# Allegro board V851S_V851SE_PER1_STD_QFN88_V1_0.brd (continued)
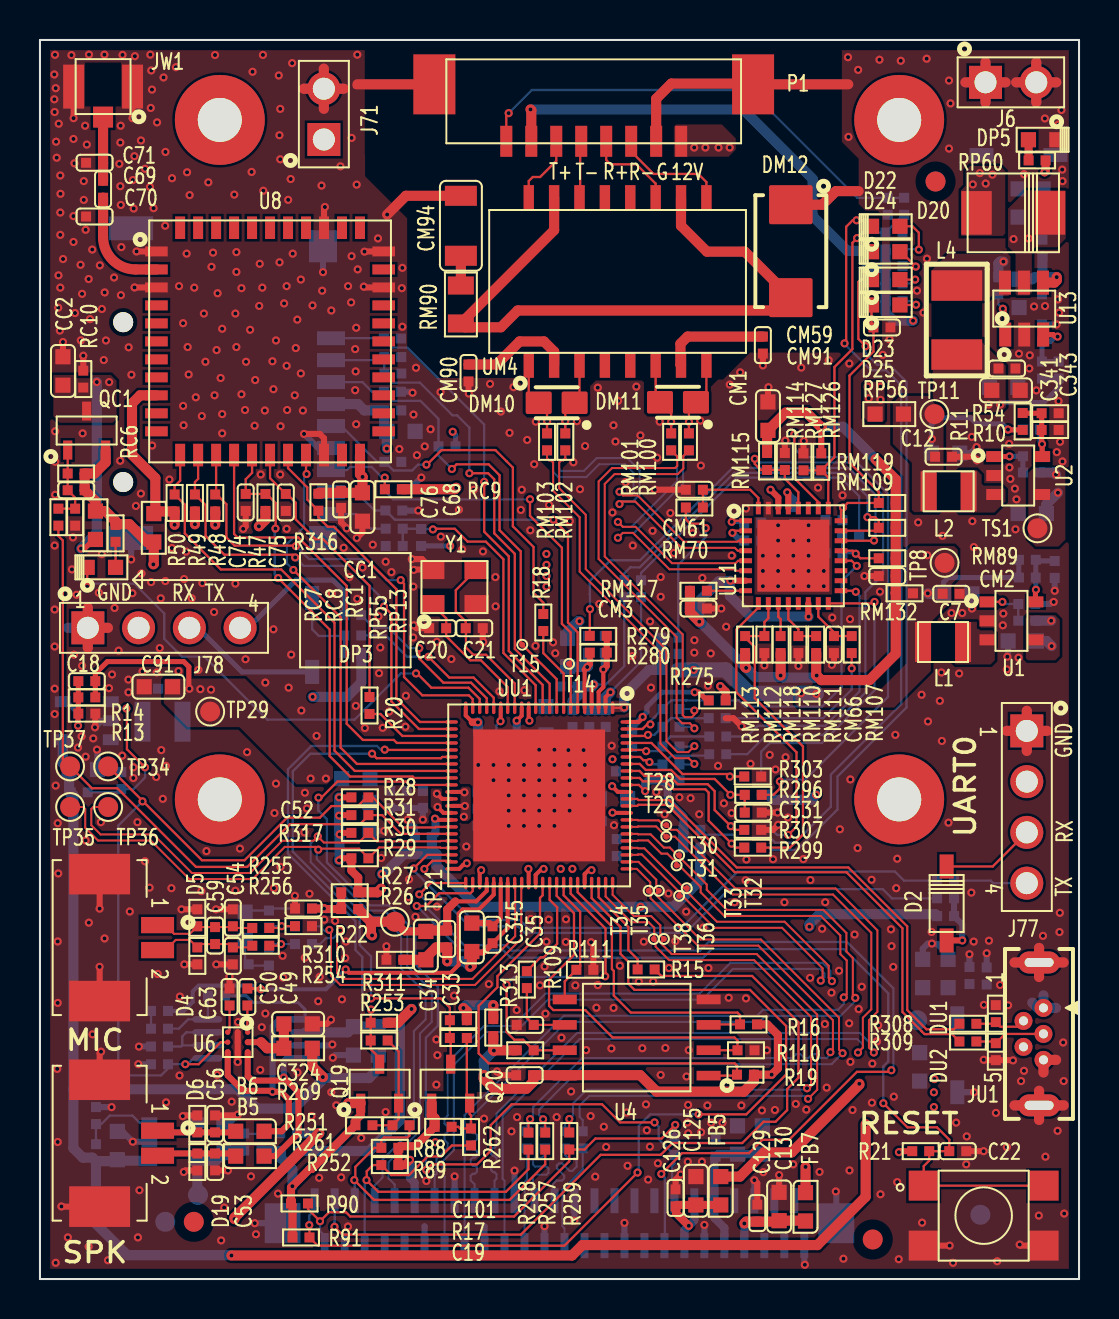
[diagram p0: board, top side]
## Routing (per net, layer and track width the routed paths; a pad name or vN(x,y) marks a point on that pad's centre or on a via; arc(x,y) is an arc through that point) (continued)
  TOP w0.114: U11.16 41.69,33.81 v1(41.77,33.88)
  BOTTOM w0.114: v1(41.77,33.88) 41.77,29.46 39.13,26.82 36.53,26.82 36.09,26.39 R289.1
RMII-TXD1: length 13.4
  TOP w0.114: v1(40.83,34.39) 40.77,34.44 U11.17
  BOTTOM w0.114: R291.1 35.39,27.15 35.93,27.69 39.3,27.69 41.01,29.4 41.01,34.2 v1(40.83,34.39)
RMII-TXEN: length 13.6
  TOP w0.114: v1(40.88,35.68) 40.62,35.94 U11.20
  BOTTOM w0.114: v1(40.88,35.68) 40.11,34.92 40.11,29.62 39.14,28.65 35.29,28.65 34.98,28.95 R285.1
RSET: length 1.4
  TOP w0.114: v1(34.62,37.89) 34.67,37.94 U11.1
  BOTTOM w0.114: RM106.2 34.67,37.84 v1(34.62,37.89)
RX+: length 4.6
  TOP w0.114: P1.4 28.34,55.99 28.55,55.78 29.85,55.78 30.81,54.81 UM4.11
RX-: length 5.7
  TOP w0.114: UM4.9 33.35,54.89 32.94,55.3 30.71,55.3 29.59,56.42 P1.3
RXD2/INTB: length 1.7
  TOP w0.114: U11.11 36.95,33.16 36.94,33.14 37.07,33.02 RM118.2
RXD3: length 2.7
  TOP w0.114: RM111.2 RM110.1 37.96,32.51 37.45,33.02 U11.12
RXDV: length 1.9
  TOP w0.114: RM117.2 33.38,34.44 U11.8
SDC0-CLK: length 18.8
  TOP w0.114: v1(19.34,40.75) 19.37,40.75 20.09,41.48 22.79,41.48 23.34,40.93 23.67,40.6 23.67,37.67 24.7,36.63 24.7,34.33 25.19,33.84 R18.2
  BOTTOM w0.114: v1(19.34,40.75) 18.92,40.75 18.63,40.46 17.69,40.46 17.25,40.89 DC3.2 16.87,40.89 15.09,42.68 JC1.5
SDC0-CMD: length 24.5
  TOP w0.114: UU1.9 25.86,30.02 T15.1 24.06,31.81 24.06,36.41 23,37.47 23,40.22 22.45,40.77 20.85,40.77 v1(20.61,40.53)
  BOTTOM w0.114: v1(20.61,40.53) 19.94,41.2 RC3.1 19.94,43.04 19.04,43.94 17.66,43.94 17.21,44.39 DC8.2 16.62,44.4 16.14,44.88 JC1.3
SDC0-D0: length 23.1
  TOP w0.114: v1(17.25,40.1) 17.25,39.53 RC9.1 ; UU1.7 26.56,30.71 ; 26.56,30.71 T14.1 ; 26.56,30.71 26.56,31.93 26.56,32.35 26.12,32.79 26.12,36.59 24.52,38.19 v1(24.52,39.02)
  BOTTOM w0.114: JC1.7 15.36,40.48 15.51,40.63 16.59,40.63 17.12,40.1 v1(17.25,40.1) 17.26,40.1 RC9.1 17.26,39.43 17.68,39.01 24.52,39.01 v1(24.52,39.02)
SDC0-D1: length 21.6
  TOP w0.114: v1(25.69,38) 26.42,37.26 26.42,32.85 26.91,32.36 UU1.6
  BOTTOM w0.114: v1(25.69,38) 17.76,38 17.31,38.45 DC1.2 16.75,38.45 15.82,39.38 JC1.8
SDC0-D2: length 24.9
  TOP w0.114: v1(22.23,39.89) 22.23,37.39 23.46,36.16 23.46,31.43 25.16,29.73 UU1.11
  BOTTOM w0.114: v1(22.23,39.89) 22.23,42.76 18.38,46.61 17.61,46.61 17.21,47.01 DC7.2 17.2,47.08 JC1.1
SDC0-D3: length 25.2
  TOP w0.114: v1(21.49,40.32) 22.43,40.32 22.73,40.02 22.73,37.32 23.76,36.29 23.76,31.53 25.51,29.79 UU1.10
  BOTTOM w0.114: JC1.2 17.08,45.98 DC6.2 17.23,45.3 RC5.1 17.23,45.29 17.66,44.85 19.01,44.85 20.65,43.22 20.88,43.22 21.49,42.6 v1(21.49,40.32)
SDC0-DET: length 36.8
  TOP w0.114: UU1.12 24.81,29.71 23.19,31.33 23.19,36.02 22.31,36.9 21.4,36.9 20.76,37.54 19.86,37.54 19.83,37.51 19.67,37.51 v1(19.66,37.51)
  PWR03 w0.102: v1(19.66,37.51) 19.02,37.51 18.41,38.12 18.41,42.7 16.83,44.29 16.83,51.47 15.21,53.09 15.21,54.48 14.21,55.49 J71.1
  BOTTOM w0.114: DC4.2 RC4.2 19.06,37.55 RC2.1 19.64,37.53 v1(19.66,37.51)
SPD-LED: length 34.6
  TOP w0.114: D23.2 41.07,50.01 40.96,49.9 40.96,47.04 v1(41.32,46.68)
  BOTTOM w0.114: R298.1 36.48,21.59 36.59,21.48 37.89,21.48 39.91,23.5 39.91,25.15 43.37,28.6 43.37,44.89 42.5,45.75 41.89,45.75 41.32,46.32 v1(41.32,46.68)
SPI0-CLK: length 3.5
  TOP w0.114: U4.6 24.71,12.72 C101.2 24.37,13.06 R109.2
SPI0-CS0: length 24.9
  TOP w0.114: UU1.56 25.16,19.2 25.03,19.07 25.03,17.29 22.89,15.16 22.89,14.61 21.95,13.67 21.95,11.29 22.45,10.79 34.77,10.79 34.88,10.68 R19.2 34.83,10.18 U4.1
SPI0-HOLD: length 16.2
  TOP w0.114: U4.7 26.26,11.45 R17.2 24.18,11.97 23.74,11.97 23.35,12.36 v1(23.35,14.73) ; v1(28.29,15.15) 28.3,15.17 28.3,17.54 26.56,19.28 UU1.60
  BOTTOM w0.114: v1(23.35,14.73) 23.74,15.12 28.25,15.12 v1(28.29,15.15)
SPI0-MISO: length 19.1
  TOP w0.114: U4.2 34.91,11.45 R110.1 34.91,11.94 34.76,12.09 28.66,12.09 27.29,13.46 25.69,13.46 25.48,13.67 25.48,14.97 26.72,16.22 26.72,18.3 25.86,19.17 UU1.58
SPI0-MOSI: length 6.5
  TOP w0.114: UU1.59 26.21,19.2 27.03,18.38 27.03,15.66 R111.1 26.26,14.89 U4.5
SPI0-WP: length 15.1
  TOP w0.114: UU1.61 26.91,19.36 28.62,17.64 28.62,15.51 28.72,15.42 28.72,14.18 29.57,13.33 34.91,13.33 35.03,13.21 R16.2 33.49,12.74 U4.3
SPK+: length 10.4
  TOP w0.305: U6.A3 10.4,10.16 10.62,9.93 12.05,9.93 v1(12.2,10.08) 12.94,9.34 12.94,7.3 11.78,6.15 B5.1
  BOTTOM w0.305: U5.8 12.35,11.04 12.2,10.89 v1(12.2,10.08)
SPK-: length 17.2
  TOP w0.305: B6.1 12.09,7.4 12.45,7.76 12.45,8.98 12.07,9.37 v1(11.64,9.37) 11.59,9.42 10.16,9.42 9.4,10.19 U6.C3
  BOTTOM w0.152: U5.5 13.27,13.01 13.27,13.48 12.91,13.84 10.65,13.84 10.31,14.18 R34.2
  BOTTOM w0.305: U5.5 11.99,12.99 11.64,12.65 v1(11.64,9.37)
TX+: length 3.6
  TOP w0.114: P1.6 25.84,55.95 25.03,55.14 24.66,55.14 24.46,54.94 UM4.16
TX-: length 2.9
  TOP w0.114: P1.5 27.03,56.88 27.03,54.14 UM4.14
TX-CLK: length 2.8
  TOP w0.114: U11.15 38.95,33.14 39.73,32.36 CM66.2 RM107.2
UART0-RX: length 4.7
  TOP w0.114: J77.3 47.68,20.64 D2.2
UART0-TX: length 3.7
  BOTTOM w0.114: R24.2 47.58,19.94 47.71,19.81 J77.4
UART3-RX: length 8.4
  TOP w0.114: v1(19.44,31.14) 20.48,30.1 21.7,30.1 22.71,29.09 UU1.18
  BOTTOM w0.114: v1(19.44,31.14) 18.37,31.14 17.3,32.2 R238.1
UART3-TX: length 8.8
  TOP w0.114: v1(18.98,31.57) 18.98,31.05 20.19,29.84 21.57,29.84 22.36,29.06 UU1.19
  BOTTOM w0.114: R237.1 16.73,32.57 17.46,32.57 18.47,31.57 v1(18.98,31.57)
USB0-DM: length 24
  TOP w0.112: 44.36,12.5 43.4,13.46 43.4,17.65 40.46,20.59 34.87,20.59 31.49,23.97 29.94,23.97 29.89,24.02 UU1.77
  TOP w0.114: R308.1 45.74,12.5 44.36,12.5
USB0-DP: length 24
  TOP w0.112: UU1.76 29.89,23.67 29.94,23.73 31.39,23.73 34.77,20.36 40.36,20.36 43.16,17.55 43.16,13.36 44.12,12.4 44.12,12.4 44.26,12.26 44.34,12.26 44.34,12.26 44.36,12.26
  TOP w0.114: 44.36,12.26 45.64,12.26 R309.1
VRA1: length 3.4
  TOP w0.203: C35.2 23.06,18.06 UU1.50
  TOP w0.305: C345.1 22.49,17.81 C35.2
WL-REG-ON: length 26.3
  TOP w0.114: UU1.30 15.75,25.42 14.74,26.44 14.74,32.84 12.07,35.51 9.05,35.51 7.25,37.31 7.25,38.75 R50.2 6.74,39.67 7.01,39.95 U8.12
WL-SDIO-CLK: length 14.4
  TOP w0.114: R20.1 16.49,34.69 14.17,37.02 13.79,37.02 12.8,38.01 12.8,38.84 12.36,39.28 C75.1 11.52,40.07 U8.17
WL-SDIO-CMD: length 24.1
  TOP w0.114: v1(11.78,37.55) 11.79,37.56 11.79,38.83 11.34,39.28 R47.2 C74.1 10.3,40.02 10.62,40.34 U8.16 ; UU1.31 18.72,25.07 18.65,25.14 15.52,25.14 14.5,26.17 14.5,32.5 v1(11.92,35.07)
  BOTTOM w0.114: v1(11.78,37.55) 11.78,37.4 11.74,37.36 11.74,35.25 v1(11.92,35.07)
WL-SDIO-D0: length 17.9
  TOP w0.114: UU1.23 19.01,27.87 17.84,29.05 17.84,34.52 14.71,37.64 14.4,37.64 13.93,38.11 R316.2 13.38,39 13.38,39.61 12.42,40.57 U8.18
WL-SDIO-D1: length 22.1
  TOP w0.114: v1(13.34,40.28) 13.32,40.31 U8.19 ; v1(12.68,35.48) 15.05,33.12 15.05,26.59 15.86,25.77 UU1.29
  BOTTOM w0.114: v1(13.34,40.28) 13.22,40.15 13.22,37.64 12.35,36.78 12.35,35.81 v1(12.68,35.48)
WL-SDIO-D2: length 23.3
  TOP w0.114: UU1.21 21.66,29.02 21.47,29.21 19.14,29.21 18.22,30.12 18.22,34.79 18.05,34.96 v1(18.05,34.97) ; U8.14 8.82,39.3 R48.2 8.84,39.26 9.33,38.77 9.33,37.11 9.74,36.7 12.78,36.7 v1(12.81,36.67)
  BOTTOM w0.114: v1(18.05,34.97) 17.34,34.97 16.29,36.03 13.46,36.03 v1(12.81,36.67)
WL-SDIO-D3: length 23.2
  TOP w0.114: UU1.26 17.86,26.82 17.71,26.97 16.16,26.97 15.35,27.78 15.35,34.68 12.93,37.11 9.89,37.11 9.71,37.28 U8.15
WL-WAKE-AP: length 23.4
  TOP w0.114: v1(12.77,36.11) 12.77,36.13 12.66,36.24 9.23,36.24 8.29,37.18 8.29,38.73 R49.2 7.76,39.88 7.92,40.04 U8.13 ; v1(17.22,33.65) 17.59,33.28 17.59,28.9 18.96,27.52 UU1.24
  BOTTOM w0.114: v1(12.77,36.11) 13.19,35.68 15.49,35.68 17.22,33.95 v1(17.22,33.65)
WRITE-LED-EN-PWM: length 47.3
  TOP w0.114: UU1.32 18.49,24.72 18.32,24.89 14.88,24.89 14.08,24.09 v1(13.94,24.09) ; v1(19.33,5.46) 19.61,5.74 21.88,5.74 22.56,6.41 22.56,7.7 23.6,8.75 28.13,8.75 29.04,7.84 v1(30.76,7.84)
  BOTTOM w0.114: v1(19.33,5.46) 19.31,5.47 19.31,12.07 19.91,12.67 19.91,14.61 18.78,15.74 18.78,17.38 17.46,18.7 16.51,18.7 14.36,20.85 14.36,23.01 13.93,23.44 13.93,24.08 v1(13.94,24.09) ; J24.37 31.75,4.93 31.63,5.05 31.63,5.64 31.76,5.76 R268.1 30.96,7 30.96,7.63 v1(30.76,7.84)
XTAL2: length 4.3
  TOP w0.114: RM70.1 CM61.2 35.54,39.49 35.95,39.09 U11.32
N19690820: length 3.1
  TOP w0.254: U1.5 49.82,34.46 v1(49.84,34.49)
  BOTTOM w0.254: R5.1 49.89,35.93 C8.2 R6.2 49.84,34.5 v1(49.84,34.49)
N19693512: length 3.9
  TOP w0.254: U2.5 50.15,41.77 v1(50.15,41.78) 50.13,41.8 R10.1 R54.1 49.19,43.32 R11.2
  BOTTOM w0.254: v1(50.15,41.78) 50.06,41.87 C13.2
N19707906: length 2.4
  TOP w0.114: U1.1 v1(48.16,33.88)
  BOTTOM w0.114: R3.2 C6.2 48.27,33.78 v1(48.16,33.88)
N19708424: length 2.3
  TOP w0.254: v1(48.52,41.16) 48.46,41.16 48.46,41.16 U2.1
  BOTTOM w0.254: R9.2 C9.2 48.53,41.17 v1(48.52,41.16)
N19757553: length 4.3
  BOTTOM w0.508: TP12.1 7.87,4.25 U12.5 8.8,5.92 C16.2 9.31,6.43 R94.1
N19757724: length 4
  BOTTOM w0.114: U12.3 4.99,7.82 4.63,8.18 3.49,8.18 3.06,7.75 C14.2 R12.2
N19777048: length 3.2
  TOP w0.508: JW1.3 C71.2 C69.2
N19799486: length 3.9
  TOP w0.114: QC1.1 1.39,40.31 RC6.1 CC1.1 1.76,39.09 RC8.2 RC7.2
N19799669: length 3
  BOTTOM w0.114: RC4.1 16.56,37.55 15.83,38.28 JC1.9
N19944591: length 3.6
  TOP w0.114: R309.2 47.75,11.88 DU2.2 48.3,12.27 JU1.3
N19944616: length 2.6
  TOP w0.114: JU1.2 48.93,12.62 48.07,12.62 DU1.2 47.75,12.77 R308.2
N19947916: length 3.9
  TOP w0.254: v1(1.91,27.69) 1.91,28.28 R13.1 R14.2 C18.2
  BOTTOM w0.254: U3.5 1.34,28.89 1.91,28.32 v1(1.91,27.69)
N19948107: length 7.9
  TOP w0.114: v1(5.26,25.6) 4.35,26.51 4.35,28.52 v1(4.33,28.55)
  BOTTOM w0.114: v1(5.26,25.6) 5.26,25.09 4.68,24.51 C94.2 3.91,24.36 R98.2 ; U3.1 3.76,28.89 4.1,28.55 v1(4.33,28.55)
N20071344: length 2.7
  TOP w0.114: R255.2 11.96,17.57 12.05,17.66 v1(12.1,17.66) 12.1,17.66 R317.1
  BOTTOM w0.114: C57.1 12.1,17.65 v1(12.1,17.66) 12.09,17.65 11.52,17.65 R33.2
N20071346: length 2
  TOP w0.114: v1(12.06,16.76) 12.01,16.76 11.93,16.68 R256.2
  BOTTOM w0.114: C61.1 12.06,16.76 v1(12.06,16.76) 12.06,16.76 11.69,16.76 R37.2
N20071621: length 2.6
  BOTTOM w0.114: C60.2 10.35,18.44 R33.1 11.56,18.54 R32.1
N20071647: length 2.3
  BOTTOM w0.114: C60.1 10.27,15.92 R38.1 10.5,15.68 R37.1
N20072707: length 3.1
  TOP w0.305: D2.1 v1(46.16,16.94)
  BOTTOM w0.305: v1(46.16,16.94) 46.16,17.75 R23.2 R106.2
N20075664: length 4
  TOP w0.305: J73.1 5.97,7.34 D6.2 C56.1 9.74,7.34 B6.2
N20075677: length 3.8
  BOTTOM w0.508: B4.1 C62.2 15.4,12.34 U5.6
N20075684: length 4
  TOP w0.305: J73.2 6,6.28 D19.2 C53.1 9.66,6.28 B5.2
N20075692: length 3.4
  BOTTOM w0.114: R35.2 6.95,12.53 7.42,12.99 U5.4 8.4,13.02 R34.1
N20075694: length 3.8
  BOTTOM w0.114: 7.12,11.69 7.12,12.14 7.33,12.34 U5.3 ; 7.12,11.69 U5.2 ; 7.12,11.69 7.06,11.64 C131.2
N20075795: length 0.9
  BOTTOM w0.114: C58.2 R35.1
N20076696: length 1.3
  TOP w0.114: U6.A1 10.38,12.37 C49.2
N20076701: length 1.4
  TOP w0.114: U6.C1 9.49,12.45 C50.2
N20076983: length 3.2
  TOP w0.305: U6.A2 11.06,11.85
  TOP w0.508: 11.06,11.85 11.37,11.55 R269.1 C324.2
N20080221: length 5.6
  TOP w0.114: R251.1 R261.1 17.95,8 Q19.2 17.95,11.38 R254.2
N20080254: length 5.6
  TOP w0.114: R252.1 20.94,7.62 21.02,7.53 R262.1 21.57,8.18 21.5,8.25 Q20.2 21.48,8.8 21.36,8.92 R253.2
N20089362: length 4.4
  TOP w0.114: RM103.2 25.38,42.92 v1(25.38,42.92) 25.38,42.93 25.38,43.43 DM10.1 24.46,44.34 UM4.1
  BOTTOM w0.114: v1(25.38,42.92) 25.38,42.92 RM103.2
N20089370: length 4.4
  TOP w0.114: UM4.3 27,43.96 26.89,43.85 DM10.2 26.29,43.38 v1(26.29,42.92) RM102.2
  BOTTOM w0.114: RM102.2 v1(26.29,42.92)
N20089378: length 4.3
  TOP w0.114: RM101.2 v1(31.59,42.9) 31.59,43.31 DM11.1 30.81,44.09 UM4.6
  BOTTOM w0.114: RM101.2 v1(31.59,42.9)
N20089380: length 4.4
  TOP w0.114: RM100.2 v1(32.48,42.9) 32.48,43.52 DM11.2 33.35,44.39 UM4.8
  BOTTOM w0.114: RM100.2 v1(32.48,42.9)
N20089454: length 5.7
  TOP w0.508: UM4.2 25.73,46.41 25.22,46.91 24,46.91 22.85,45.76 CM90.2
N20089468: length 5.4
  TOP w0.508: UM4.7 32.05,45.75 32.05,46.8 32.41,47.16 CM91.2
N20089530: length 33.8
  TOP w0.508: UM4.15 25.73,52.48 RM90.1 21.25,47.62 23.07,47.62 23.91,48.46 36.93,48.46 DM12.1 35.27,51.41 33.38,51.41 32.08,52.7 UM4.10
N20089542: length 1.5
  TOP w0.508: CM94.2 RM90.2
N20117400: length 6
  TOP w0.406: v1(32.47,2.66) 31.83,3.3 C126.2 31.88,3.71 C125.2 FB5.1
  BOTTOM w0.406: J24.38 32.25,2.44 v1(32.47,2.66) 32.75,2.94 J24.39
N20117404: length 7.1
  BOTTOM w0.406: FB6.1 C127.2 33.94,6.25 C128.2 33.75,6.06 J24.41 33.75,3.06 34.25,2.56 J24.42
N20118452: length 4.2
  TOP w0.508: FB7.1 38.3,2.92 C130.2 36.95,2.87 C129.2 35.34,2.87 v1(35.25,2.78)
  BOTTOM w0.406: J24.44 v1(35.25,2.78)
N20126497: length 2.8
  TOP w0.114: v1(43.98,51.51) 43.98,52.36 43.66,52.68 D22.1
  BOTTOM w0.114: v1(43.98,51.51) 43.95,51.53 43.18,51.53 RM98.1
N20126683: length 1.5
  TOP w0.114: D23.1 v1(43.8,50.01)
  BOTTOM w0.114: v1(43.8,50.01) 43.8,49.95 43.67,49.82 RM104.1
N20130207: length 1.8
  TOP w0.114: D24.1 43.09,51.41 v1(43.83,50.66)
  BOTTOM w0.114: v1(43.83,50.66) 43.19,50.66 RM129.1
N20130411: length 1.6
  TOP w0.114: v1(43.84,48.75) 43.83,48.74 D25.1
  BOTTOM w0.114: v1(43.84,48.75) 43.66,48.93 RM128.1
N20132480: length 7.6
  BOTTOM w0.254: J78.4 10.42,32.59 12.81,34.97 14.66,34.97 15.23,34.41 R237.2
N20132488: length 7.1
  BOTTOM w0.254: J78.3 7.9,32.59 10.11,30.38 D18.2
N20132490: length 4.2
  BOTTOM w0.114: R239.1 R238.2 15.2,32.18 13.95,32.18 13.62,32.51 D18.1
N20133291: length 1.3
  TOP w0.114: DP3.1 3.78,35.61 RP55.2
N20143336: length 4.6
  TOP w0.114: UU1.25 20.6,27.17 18.14,27.17 17.04,28.27 R20.2
N20144528: length 9
  TOP w0.114: C331.2 R296.2 v1(34.55,24.23) 34.55,24.23 33.76,25.02 32.03,25.02 31.58,25.47 30.32,25.47 30.02,25.77 UU1.82
  BOTTOM w0.114: C331.2 R296.2 v1(34.55,24.23)
N20144565: length 5.9
  TOP w0.203: UU1.88 29.96,27.87 30.16,28.08 v1(30.16,28.12)
  TOP w0.254: v1(32.77,29.36) 32.97,29.36 33.38,28.95 R275.2
  BOTTOM w0.254: v1(32.77,29.36) 31.11,29.36 30.37,28.63 30.37,28.36 30.16,28.15 v1(30.16,28.12)
  BOTTOM w0.305: v1(30.16,28.12) 29.64,27.6 C326.1
N20144574: length 8.7
  TOP w0.203: UU1.4 27.61,29.56 27.63,29.58 27.63,29.66 v1(27.71,29.74)
  BOTTOM w0.114: R277.2 29.24,30.68 28.31,29.74 v1(27.71,29.74)
  BOTTOM w0.508: v1(27.71,29.74) 27.62,29.65 C327.1 26.91,29.16 26.65,28.91 R278.2
N20144622: length 4.6
  TOP w0.203: UU1.3 27.96,29.38 28.19,29.62 v1(28.19,30.51)
  TOP w0.305: R279.2 R280.2 28.36,30.68 v1(28.19,30.51)
  BOTTOM w0.406: C328.1 28.27,30.58 v1(28.19,30.51)
N20144670: length 8.1
  TOP w0.203: UU1.2 28.31,29.12 v1(28.55,29.36)
  BOTTOM w0.114: v1(28.55,29.36) 30.08,30.89 R281.2
  BOTTOM w0.508: v1(28.55,29.36) 28.31,29.13 C329.1 28.31,28.47 R282.2
N20144718: length 5.2
  TOP w0.114: UU1.1 29.22,28.58 v1(29.24,28.6)
  BOTTOM w0.508: R283.2 C330.1 R284.2 30.48,30.48 29.24,29.24 v1(29.24,28.6)
N20144766: length 4.8
  TOP w0.114: UU1.87 30.15,27.52 30.38,27.75 v1(30.55,27.75)
  BOTTOM w0.114: v1(30.55,27.75) 30.55,27.91 R305.2 31.59,28.96 32.33,28.96 32.33,28.95 R285.2
N20144784: length 4.5
  TOP w0.114: v1(30.43,27.23) 30.39,27.23 30.34,27.17 30.09,27.17 UU1.86
  BOTTOM w0.114: v1(30.43,27.23) 30.75,27.23 R304.2 31.59,28.07 32.33,28.07 32.34,28.06 33.45,28.06 R287.2
N20144810: length 7.3
  TOP w0.114: UU1.85 30.6,26.82 32.15,25.27 34.4,25.27 v1(34.53,25.14) R303.2
  BOTTOM w0.114: R303.2 v1(34.53,25.14)
N20144816: length 4.5
  TOP w0.114: UU1.84 30.28,26.47 v1(30.34,26.41)
  BOTTOM w0.114: R291.2 31.55,27.15 R302.2 30.93,26.41 v1(30.34,26.41)
N20144842: length 4.5
  TOP w0.114: v1(30.5,25.87) 30.41,25.96 30.2,25.96 30.03,26.12 UU1.83
  BOTTOM w0.114: R293.2 33.42,26.19 31.59,26.19 R301.2 30.62,25.75 v1(30.5,25.87)
N20144848: length 8.4
  TOP w0.114: UU1.81 30.01,25.42 30.26,25.17 31.17,25.17 31.51,25.17 31.92,24.76 33.41,24.76 33.76,24.41 33.76,23.47 v1(34.57,22.66) 34.76,22.48 R307.2
  BOTTOM w0.114: v1(34.57,22.66) 34.76,22.48 R307.2
N20144923: length 8.9
  TOP w0.114: UU1.80 30,25.07 30.17,24.9 31.32,24.9 31.72,24.51 33.3,24.51 33.46,24.34 33.46,22.93 v1(34.61,21.79) 34.81,21.59 R299.2
  BOTTOM w0.114: v1(34.61,21.79) 34.81,21.59 R299.2
N20144951: length 6.1
  TOP w0.114: v1(30.29,24.42) 30.28,24.41 29.97,24.72 UU1.79
  BOTTOM w0.406: R306.2 32.2,23.14 31.42,23.92 31.42,24.69 C332.2 30.45,24.95 30.29,24.78 v1(30.29,24.42)
  BOTTOM w0.508: R306.2 R300.2
N20147418: length 5.3
  TOP w0.114: R109.1 25.06,16.1 25.21,16.1 25.88,16.77 25.88,18.6 25.51,18.97 UU1.57
N20147728: length 5.1
  TOP w0.114: R15.1 29.91,16 29.45,16.46 29.45,17.61 27.96,19.1 UU1.64
N20158515: length 3.9
  TOP w0.508: U13.4 50.77,49.86 50.88,49.97 v1(50.88,50.13)
  BOTTOM w0.508: R312.2 50.17,50.15 R4.2 ; R312.2 50.88,50.13 v1(50.88,50.13) ; R312.2 49.76,50.13 49.66,50.03 C339.2
N20158521: length 3.5
  TOP w0.254: v1(50.93,47.16) 50.81,47.16 50.71,47.26 U13.3
  BOTTOM w0.254: R7.1 C342.1 R8.2 50.56,46.91 50.8,47.16 v1(50.93,47.16)
N20158531: length 1
  BOTTOM w0.508: C340.2 47.96,50.82 48.05,50.91 v1(48.21,50.91)
N20158533: length 2.2
  TOP w0.114: v1(48.19,48.55) 48.31,48.43 U13.1
  BOTTOM w0.114: C340.1 47.96,48.78 v1(48.19,48.55)
N20159510: length 24
  TOP w0.114: v1(23.46,58.34) 23.34,58.22 P1.8
  BOTTOM w0.114: RM131.2 RM130.2 40.9,54.1 35.5,59.5 24.61,59.5 v1(23.46,58.34)
N20159587: length 22.5
  TOP w0.508: P1.7 24.59,58.49 v1(24.55,58.52)
  BOTTOM w0.508: RM105.1 40.4,51.45 38.67,53.19 38.67,55.05 35.2,58.52 v1(24.55,58.52)
N20192813: length 1
  TOP w0.406: DP5.1 49.48,57 RP60.2
N20209636: length 4.3
  TOP w0.114: R18.1 25.19,31.32 26.21,30.3 UU1.8

## Copper pours and planes (outline as drawn; the poured copper is in the pictures)
12V-IN on TOP: 48.31,55.44 48.31,52.32 48.18,52.19 46.1,52.19 46.1,54.48 46.33,54.71 46.33,55.47 46.55,55.7 48.05,55.7
12V-IN on TOP: 31.72,56.16 31.72,57.66 31.84,57.77 34.12,57.77 34.82,57.07 34.82,56.52 34.47,56.16
12V-IN on BOTTOM: 46.5,56.8 47.95,56.8 48.05,56.7 48.05,54.78 47.74,54.48 46.62,54.48 46.28,54.81 46.28,56.58
12V-IN on PWR03: 35.43,57.23 37.54,55.12 44.86,55.12 46.13,56.39 46.13,60.71 46.63,61.21 48.34,61.21 48.69,60.86 48.69,54.71 45.67,51.69 42.52,51.69 41.68,50.85 36.25,50.85 31.72,55.37 31.72,57.05 31.9,57.23
GND on TOP: 0.51,0.51 0.51,61.49 16.26,61.49 16.26,56.26 16.27,56.25 16.27,55.18 18.38,53.07 18.38,46.52 19.81,45.09 23.77,45.09 24.16,44.7 24.16,43.33 24.38,43.1 24.92,43.1 25.02,43 25.02,40.94 25.5,40.46 26.04,40.46 26.7,41.12 26.7,43.05 27.53,43.89 27.53,44.68 27.81,44.96 30.12,44.96 30.2,44.88 30.23,44.88 30.23,43.33 30.4,43.15 31.14,43.15 31.24,43.05 31.24,41.94 31.19,41.88 31.19,41.2 31.24,41.15 31.24,40.97 30.84,40.56 31.7,40.56 32.84,41.71 32.84,43.08 33.58,43.81 33.58,44.65 33.93,45.01 34.19,45.01 35.53,46.35 41.53,46.35 42.14,46.96 42.14,53.24 41.91,53.47 41.3,53.47 40.97,53.8 40.97,56.06 40.13,56.9 40.13,61.49 51.49,61.49 51.49,0.51 ; 30 cut-outs
GND on BOTTOM: 0.51,0.51 0.51,61.49 16.28,61.49 16.28,56.29 16.29,56.27 16.29,55.18 18.44,53.04 18.44,47.37 20.7,45.11 34.19,45.11 35.59,46.51 40.74,46.51 41.68,47.45 41.68,55.17 40.11,56.74 40.11,61.49 51.49,61.49 51.49,0.51 ; 12 cut-outs
GND on GND02: 0.51,0.51 0.51,61.49 16.23,61.49 16.23,56.26 16.24,56.25 16.24,55.33 18.39,53.19 18.39,46.51 19.79,45.11 34.29,45.11 35.1,45.92 38.89,45.92 39.5,46.53 39.96,46.53 40.9,47.48 40.9,55.95 40.16,56.69 40.16,61.49 51.49,61.49 51.49,0.51 ; 1 cut-out
GND on PWR03: 0.51,0.51 0.51,61.49 16.31,61.49 16.31,55.19 18.36,53.14 18.36,46.56 19.81,45.11 34.26,45.11 35.61,46.46 40.49,46.46 40.92,46.88 40.92,49.84 42.94,51.85 42.94,53.16 40.92,55.18 40.92,56.11 40.16,56.87 40.16,61.49 51.49,61.49 51.49,0.51 ; 1 cut-out
VCC-5V on TOP: 48.33,45.7 48.33,44.02 48.34,44.01 48.34,43.64 48.08,43.38 45.39,43.38 44.68,44.09 44.68,46.83 44.79,46.94 47.09,46.94
VCC-5V on TOP: 49.72,40.59 51.19,40.59 51.32,40.46 51.32,37 50.96,36.65 49.84,36.65 49.46,37.03 49.46,40.33
VCC-5V on TOP: 49.34,33.09 49.46,33.22 50.81,33.22 51.04,32.99 51.04,31.18 50.81,30.96 49.44,30.96 49.34,31.06
VCC-5V on BOTTOM: 2.68,6.42 5.9,6.42 6.13,6.19 6.13,5.58 5.72,5.18 2.47,5.18 2.12,5.53 2.12,5.86
VCC-5V on BOTTOM: 43.57,10.33 45.12,10.33 45.22,10.23 45.22,7.64 44.28,6.71 37.59,6.71 37.16,7.14 35.87,7.14 35.74,7.27 35.74,8.02 35.77,8.05 42.63,8.05 42.66,8.03 43.17,8.03 43.47,8.32 43.47,10.23
VCC-5V on BOTTOM: 48.17,44.92 48.17,44.07 48.37,43.87 48.37,43.52 48.21,43.35 47.35,43.35 46.9,43.81 46.9,44.89 47.03,45.02 48.07,45.02
VCC-5V on PWR03: 44.35,8.25 47.18,8.25 48.34,9.42 48.34,11.36 48.68,11.69 48.68,16.53 51.48,19.34 51.48,42.96 51.16,43.27 50.4,43.27 49.27,44.41 47.79,44.41 47.29,43.91 47.29,35.51 47.68,35.12 47.68,30.48 46.43,29.24 46.43,22.2 43.81,19.58 43.81,14.97 44.17,14.61 44.17,8.43
VCC-CARD0-3.3V on TOP: 0.67,45.23 3.55,45.23 3.83,44.95 3.83,43.04 3.64,42.85 1,42.85 0.67,43.18
VCC-DRAM on BOTTOM: 16.32,25.49 19.13,25.49 20.08,24.53 20.08,23.51 20.01,23.44 19.73,23.44 19.55,23.62 19.55,23.97 19.34,24.18 17.33,24.18 16.85,23.7 16.21,23.7 16.21,25.38
VCC-IO on BOTTOM: 25.27,21.41 27.3,21.41 27.3,20.49 27.1,20.28 25.06,20.28 24.97,20.37 24.97,21.31 25.12,21.46 25.22,21.46
VCC-IO on BOTTOM: 28.57,24.49 28.45,24.61 28.45,26.16 28.57,26.29 29.03,26.29 29.21,26.11 29.21,24.87 28.83,24.49
VCC-IO on PWR03: 21.29,21.25 21.6,21.25 22.38,22.02 25.7,22.02 27.48,23.8 27.48,23.8 27.7,24.02 27.7,27.57 26.83,28.44 26.83,30.86 27.09,31.13 28.89,31.13 29.72,30.3 29.72,25.33 30.09,24.96 30.09,22.08 28.86,20.85 27.46,20.85 26.03,19.42 21.8,19.42 21.08,20.14 21.08,21.04
VCC-LDOA on BOTTOM: 27.53,21.46 29.16,21.46 29.16,20.74 28.7,20.28 27.5,20.28 27.46,20.32 27.46,21.39
VDD-SYS on TOP: 41.34,44.9 42.13,44.9 42.27,44.76 42.27,42.98 42.17,42.89 41.44,42.89 41.22,43.11 41.22,44.78
VDD-SYS on BOTTOM: 21.6,26.86 21.6,25.64 22.26,24.99 22.26,22.02 22.7,21.58 24.8,21.58 24.99,21.39 24.99,20.73 24.97,20.7 24.97,20.4 25.22,20.14 28.73,20.14 29.31,20.73 29.31,22.78 29.13,22.96 28.65,22.96 28.47,22.78 28.47,22.63 28.45,22.61 27.79,22.61 27.79,23.44 27.84,23.5 28.47,23.5 28.57,23.6 28.57,24.28 28.85,24.56 30.18,24.56 30.81,23.93 30.81,19.81 29.95,18.95 22.08,18.95 20.13,20.89 20.13,24.69 18.9,25.92 18.9,28.68 21.55,31.33 22.18,31.33 22.55,31.69 22.55,32.96 23.3,33.72 23.3,36.23 23.65,36.58 25,36.58 25.02,36.56 25.46,36.56 25.78,36.24 25.78,32.93 25.4,32.55 25.4,29.48 25.7,29.19 26.55,29.19 27.79,27.94 27.79,27.1 26.21,27.1 25.6,27.71 23.47,27.71 23.27,27.51 23.27,26.92 23.2,26.86
VDD-SYS on PWR03: 25.17,36.47 25.01,36.31 25.01,34.33 25.88,33.46 29.11,33.46 31.55,31.02 32.73,31.02 33.69,30.06 33.69,29.53 33.78,29.44 34.67,29.44 34.98,29.74 34.98,33.6 34.19,34.39 33.48,34.39 32.51,35.36 32.51,37.9 38.02,43.41 42.09,43.41 42.39,43.71 42.39,45.19 42.14,45.44 36.09,45.44 29.58,38.93 29.58,37.25 28.8,36.47
DC-IN on BOTTOM: 43.67,15.14 47.65,15.14 47.83,15.31 47.83,15.32 48.01,15.5 50.16,15.5 51.29,14.37 51.29,13 48.83,13 47.43,11.61 47.43,11.59 46.78,10.94 43.45,10.94 43.44,10.95 43.44,14.91
DCDC1-3V3 on TOP: 43.59,36.67 45.75,36.67 45.93,36.5 45.93,35.08 45.62,34.76 45.62,33.9 45.27,33.55 44.59,32.86 44.59,30.43 42.76,28.6 37.98,28.6 37.8,28.78 37.8,29.44 37.94,29.58 42.13,29.58 43.37,30.81 43.37,36.45
DCDC2-0V9 on TOP: 44.94,44.19 45.22,43.91 45.22,38.65 44.94,38.37 43.75,38.37 43.63,38.49 43.63,40.84 42.68,41.79 42.68,43.84 43.04,44.19
DCDC3-1V5 on TOP: 11.45,28.85 14.67,25.64 14.67,25.05 14.37,24.75 12.84,24.75 9.98,27.61 7.4,27.61 6.19,28.82 6.19,29.97 6.27,30.04 10.27,30.04 11.45,28.86
DCDC3-1V5 on BOTTOM: 13.48,24.76 15.44,24.76 15.56,24.88 15.56,25.67 15.42,25.81 13.89,25.81 13.35,25.27 13.35,24.88
DCDC3-1V5 on BOTTOM: 8.97,26.92 9.07,27.02 9.07,29.36 8.59,29.84 6.46,29.84 6.46,29.23 6.76,28.93 6.76,26.9 6.79,26.87 7.77,26.87 7.82,26.92
DCIN-12V on TOP: 49.64,51.45 49.64,49.35 49.51,49.22 48.9,49.22 48.82,49.3 48.82,51.28 48.44,51.66 48.44,53.56 49.36,54.48 51.29,54.48 51.34,54.44 51.34,52.06 50.91,51.63 49.82,51.63
DCIN-12V on BOTTOM: 48.28,53.61 50.84,53.61 51.02,53.43 51.02,51.93 50.79,51.71 48.23,51.71 48.1,51.83 48.1,53.43
N19690853 on TOP: 46.9,32.86 46.9,32.61 47.05,32.46 47.66,32.46 47.79,32.33 47.79,30.96 47.58,30.76 45.83,30.76 45.73,30.86 45.73,32.89 46.87,32.89
N19693534 on TOP: 46.03,40.48 46.87,40.48 47.13,40.23 47.13,39.8 47.23,39.7 48.12,39.7 48.32,39.49 48.32,38.91 47.76,38.35 46.03,38.35 45.91,38.48 45.91,40.36
N19947953 on BOTTOM: 3.18,27.3 4.43,27.3 4.71,27.58 4.71,28.95 5.47,28.95 5.57,28.85 5.57,26.69 5.47,26.59 3.26,26.59 3.18,26.67
N20158531 on TOP: 47.39,48.95 47.63,49.19 48.47,49.19 48.57,49.3 48.57,51.17 48.41,51.33 48.22,51.33 48.19,51.3 45.45,51.3 44.67,50.53 44.67,48.95

Small or netless copper shapes (teardrops, artwork), in the pictures only: 3 on TOP

## Text on the board
Ref Des/Silkscreen Bottom: 20211020 4L | V851_V851SE_STD_QFN88_V1_0
Ref Des/Silkscreen Top: GND | RX | TX | T+ | T- | R+ | R- | G | 12V | L4 | SPK | MIC | RESET | UART0
TOLERANCE_TOP: FIGURE | SIZE | 8.0 | 17.72 | 43.31 | 86.61 | 39.37 | 57.09x17.72 | DRILL CHART: TOP to BOTTOM | ALL UNITS ARE IN MILS | PLATED | NON-PLATED | QTY | 1010 | 5 | 12 | 4 | 2
